# Altium PCB CM5_Adapter.PcbDoc (part 1 of 3)
Units mil, origin at the board's own origin, x right, y up, seen from the top; angles counter-clockwise.
Board outline 2540 x 1690 mil, 4 copper layers (Top Layer, Sig1, Sig2, Bottom Layer), stack 50.112 mil thick; 53 components, 281 nets, 1198 pads, 240 vias.
Unrouted connection lines stored in the file: 25.
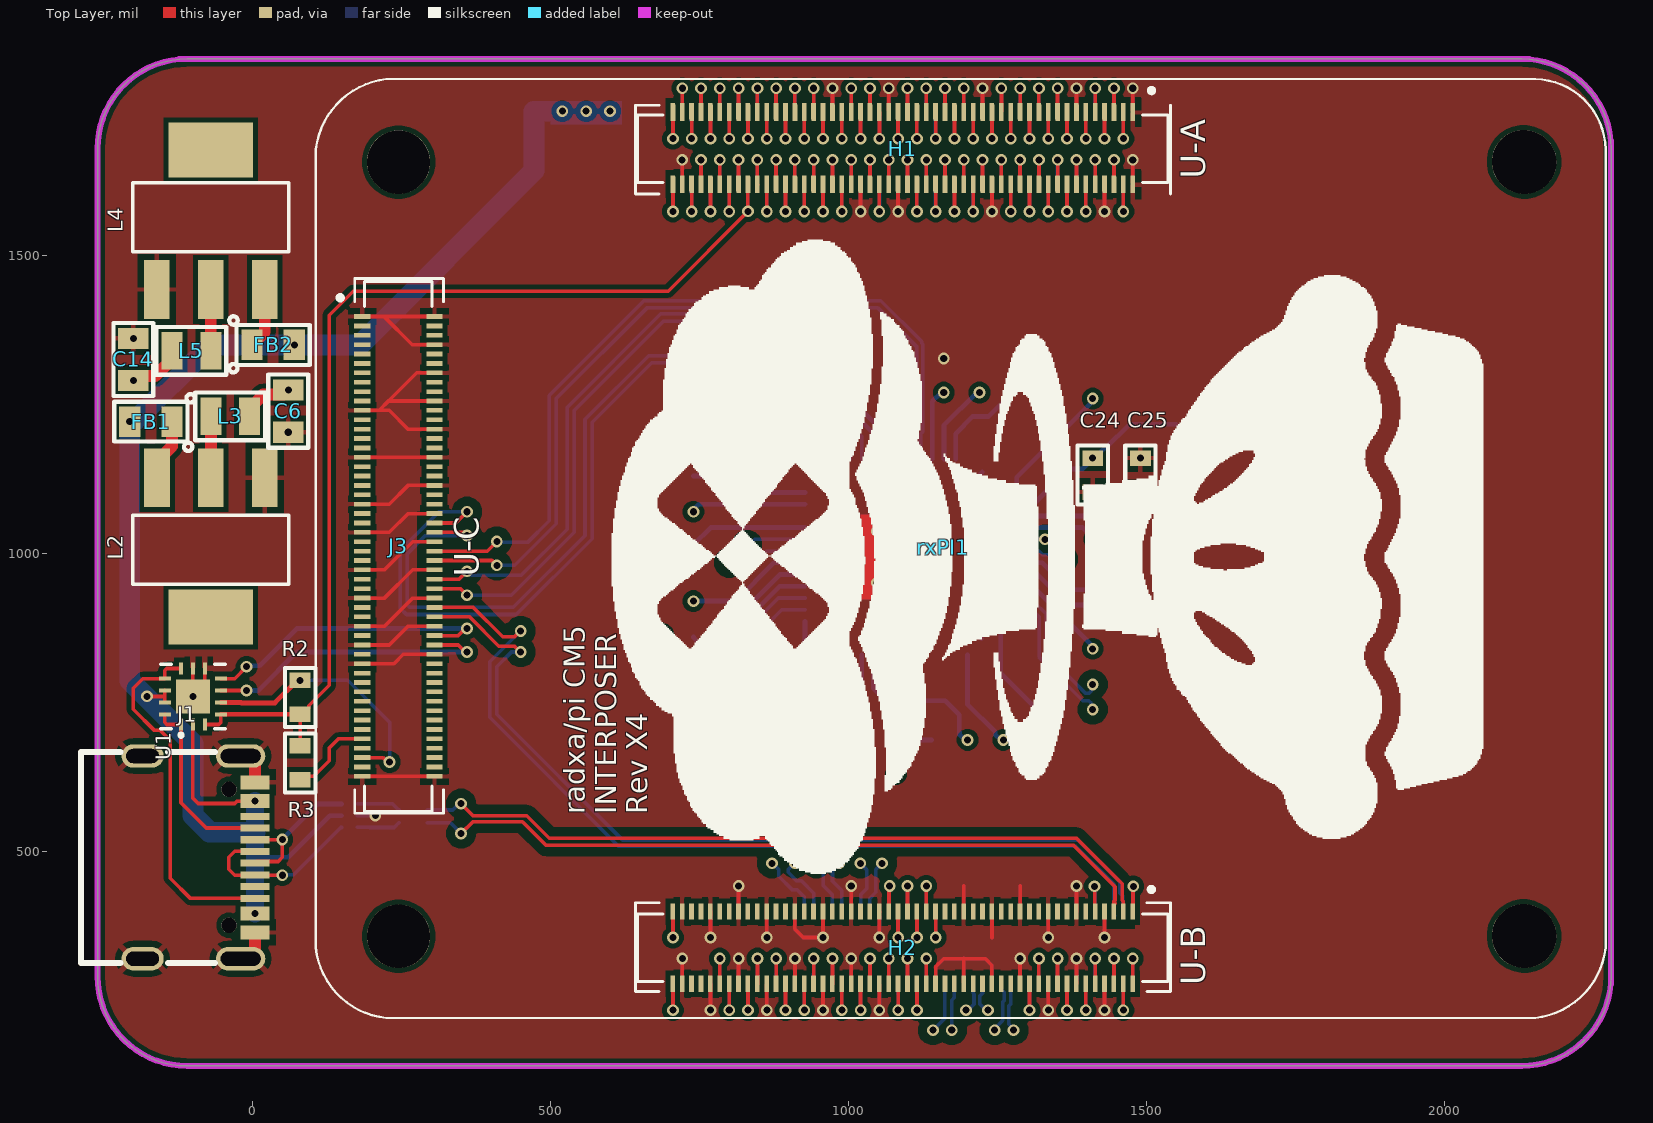
[diagram p0: Top Layer view]
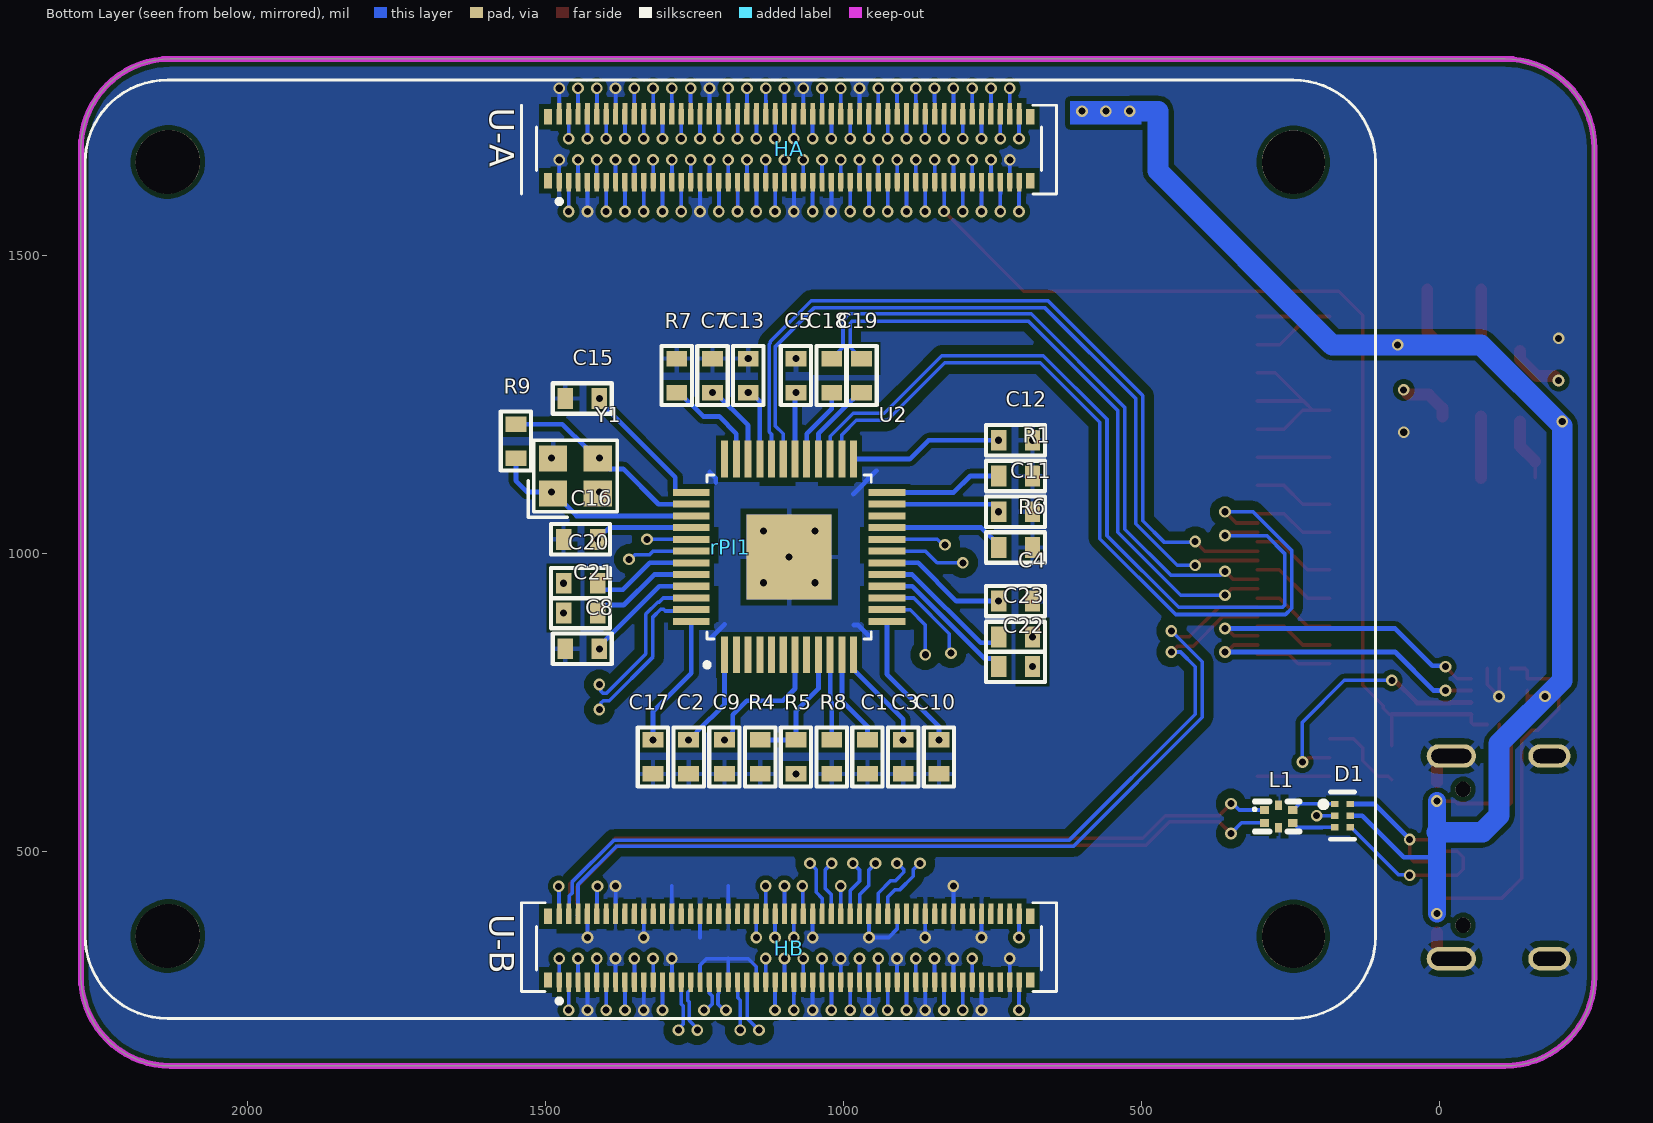
[diagram p1: Bottom Layer view, seen from below]
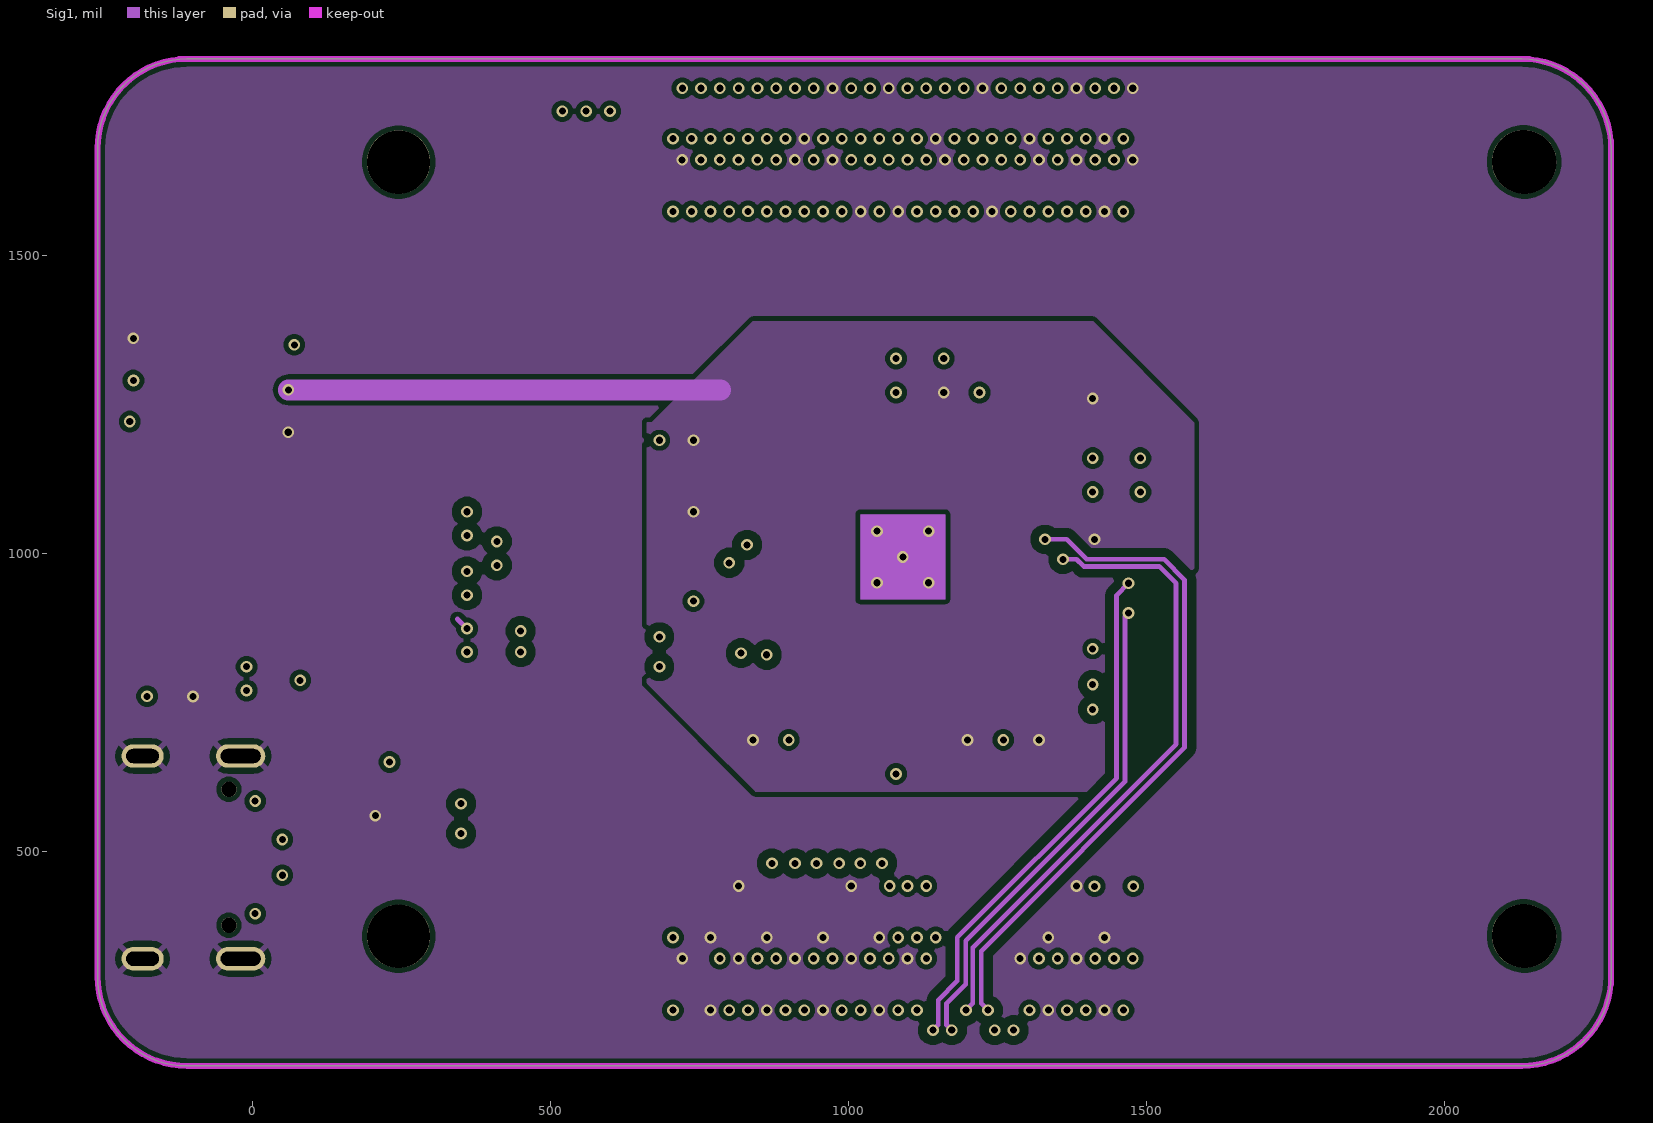
[diagram p2: Sig1]
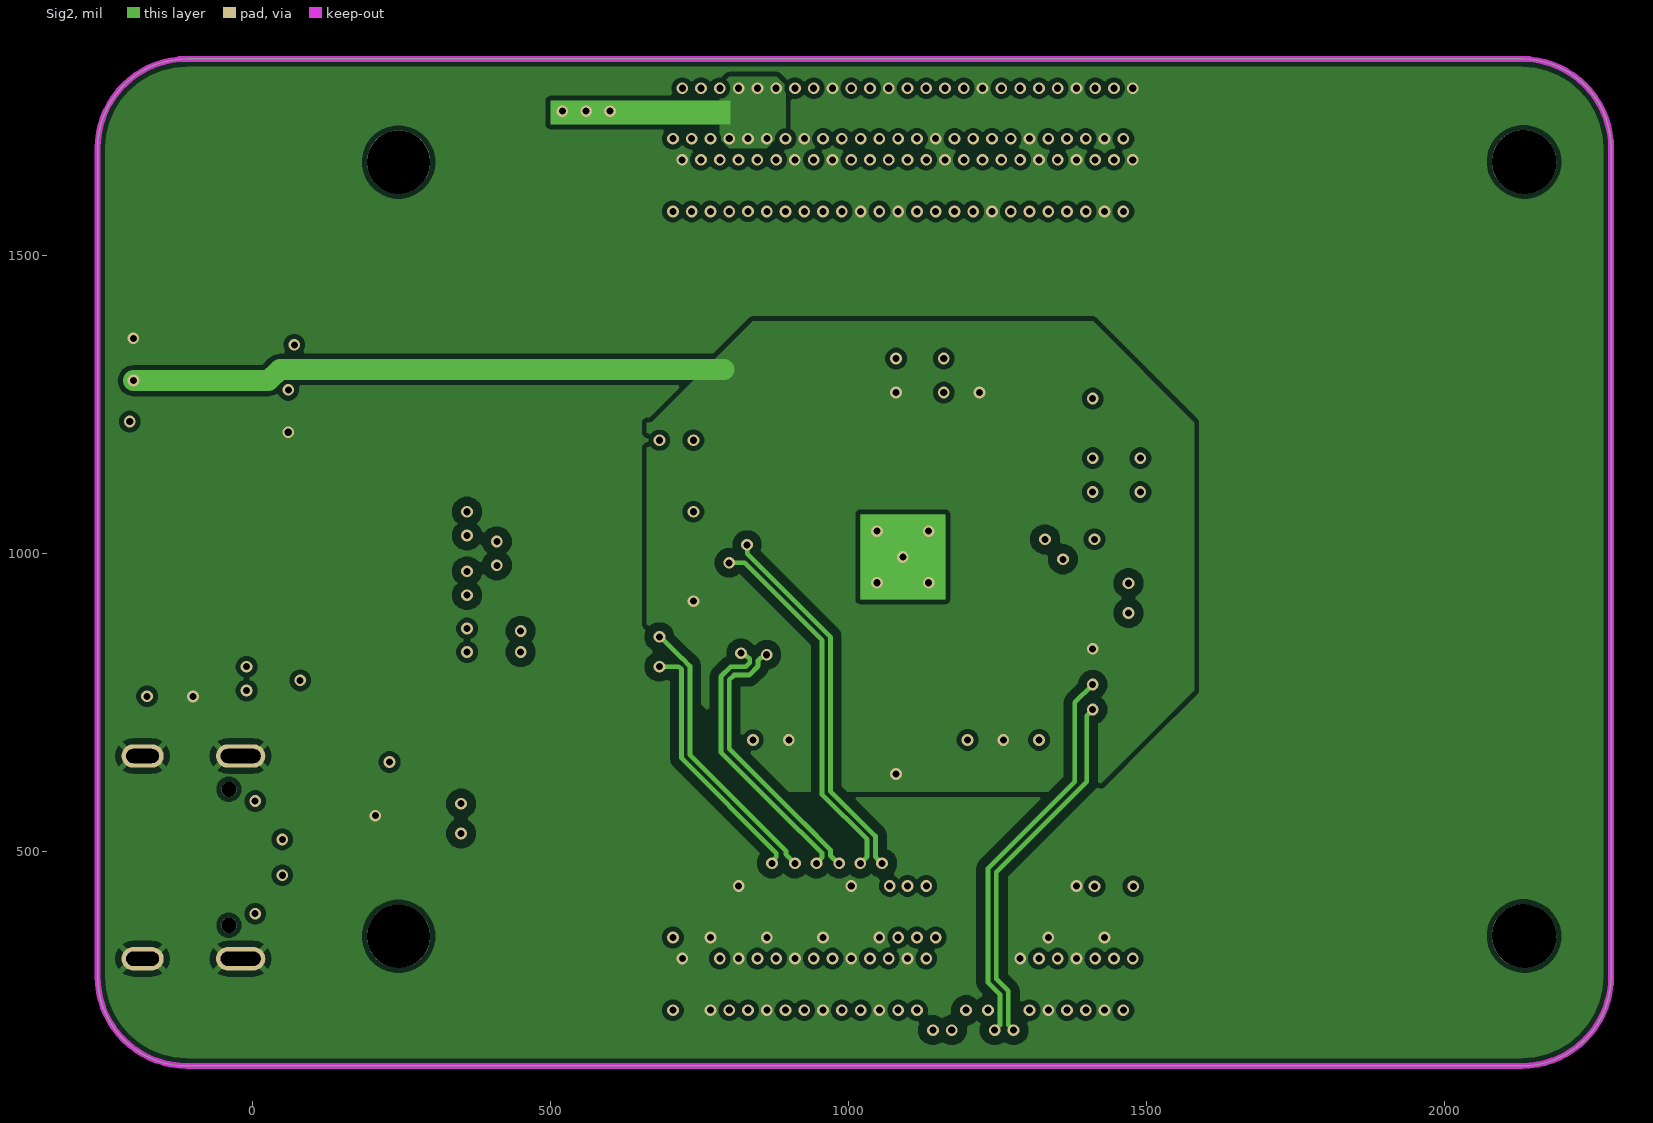
[diagram p3: Sig2]

## Layer stack, top to bottom
Top Solder: solder mask 0.4, Solder Resist, Dk 3.5
Top Layer: signal copper 1.378
Dielectric 1: prepreg 2.8, PP-006, Dk 4.1
Sig1: signal copper 1.378
Dielectric 3: core 39, Core-042, Dk 4.6
Sig2: signal copper 1.378
Dielectric 2: prepreg 2.8, PP-006, Dk 4.1
Bottom Layer: signal copper 1.378
Bottom Solder: solder mask 0.4, Solder Resist, Dk 3.5

## Board outline
-260,290 -260,1680 cw(c-110,1680) -110,1830 2130,1830 cw(c2130,1680) 2280,1680 2280,290 cw(c2130,290) 2130,140 -110,140 cw(c-110,290)

## Design rules (kind name [scope] priority, off if disabled: settings)
Clearance DiffPairs_Clearance [InDifferentialPairClass('All Differential Pairs')] p1: gap=4 ignorepadtopadclearanceinfootprint=FALSE except(15: Arc-Fill Arc-Poly Arc-Region Track-Fill Track-Poly Track-Region SMDPad-Fill SMDPad-Poly SMDPad-Region THPad-Fill THPad-Poly THPad-Region Via-Fill Via-Poly Via-Region Fill-Fill Fill-Poly Fill-Region Poly-Poly Poly-Region Region-Region)
Clearance [All] p2: gap=8 ignorepadtopadclearanceinfootprint=FALSE except(0: SMDPad-SMDPad SMDPad-Hole Text-Hole; 5: Arc-SMDPad Track-SMDPad THPad-THPad; 5.91: Arc-Arc Arc-Track Track-Track; 7: Arc-Via Track-Via)
ComponentClearance [All] p1: gap=10 collisioncheckmode=3 verticalgap=10 showdistances=FALSE donotcheckwithout3dbody=TRUE
DiffPairsRouting [All] p1: maxlimit=10 minlimit=4 mostfreqgap=6 toplayer_minwidth=4 toplayer_maxwidth=15 toplayer_prefwidth=6 midlayer1_minwidth=4 midlayer1_maxwidth=15 midlayer1_prefwidth=8 midlayer2_minwidth=4 midlayer2_maxwidth=15 midlayer2_prefwidth=8 bottomlayer_minwidth=4 bottomlayer_maxwidth=15 bottomlayer_prefwidth=6 maxuncoupledlength=500
HoleSize [All] p1: absolutevalues=TRUE maxlimit=300 minlimit=1 maxpercent=80.000 minpercent=20.000
MatchedLengths [InDifferentialPairClass('All Differential Pairs')] p1: tolerance=10 checknetsindiffpair=TRUE checkdiffpairvsdiffpair=FALSE checkxsignals=FALSE checkothers=FALSE
MinimumSolderMaskSliver [All] p1: minsoldermaskwidth=5
PlaneClearance [All] p1: clearance=15
PlaneConnect [All] p1: planeconnectstyle=Direct reliefexpansion=20 reliefentries=4 reliefconductorwidth=10 reliefairgap=10
PolygonConnect [All] p1: thpad.connectstyle=Relief thpad.reliefconductorwidth=10 thpad.reliefentries=4 thpad.polygonreliefangle="45 Angle" thpad.airgapwidth=10 smdpad.connectstyle=Relief smdpad.reliefconductorwidth=8 smdpad.reliefentries=4 smdpad.polygonreliefangle="90 Angle" smdpad.airgapwidth=10 via.connectstyle=Direct via.reliefconductorwidth=10 via.reliefentries=4 via.polygonreliefangle="90 Angle" via.airgapwidth=10
RoutingVias [All] p1: holewidth=10 width=19 viastyle="Through Hole" minholewidth=10 minwidth=19 maxholewidth=16 maxwidth=30
ShortCircuit [All] p1: allowed=TRUE
SilkToSilkClearance [All] p1: silktosilkclearance=5
SilkToSolderMaskClearance [IsPad] p1: minsilkscreentomaskgap=1 clearancetoexposedcopper=TRUE
SolderMaskExpansion [All] p1: expansion=4 istentingtop=FALSE
SupplyNets "Schematic Supply Nets_74" [InNet('USB30_RX_P')] p1: voltage=0.000
SupplyNets "Schematic Supply Nets_73" [InNet('USB3HOST_TX_P')] p2: voltage=0.000
SupplyNets "Schematic Supply Nets_72" [InNet('USB3HOST_RX_N')] p3: voltage=0.000
SupplyNets "Schematic Supply Nets_71" [InNet('USB3HOST_D_N')] p4: voltage=0.000
SupplyNets "Schematic Supply Nets_70" [InNet('USB3HOST_RX_P')] p5: voltage=0.000
SupplyNets "Schematic Supply Nets_69" [InNet('USB30_TX_N')] p6: voltage=0.000
SupplyNets "Schematic Supply Nets_67" [InNet('USB30_D_N')] p7: voltage=0.000
SupplyNets "Schematic Supply Nets_66" [InNet('USB3HOST_TX_N')] p8: voltage=0.000
SupplyNets "Schematic Supply Nets_65" [InNet('3.3VDC')] p9: voltage=0.000
SupplyNets "Schematic Supply Nets_64" [InNet('USB30_TX_P')] p10: voltage=0.000
SupplyNets "Schematic Supply Nets_54" [InNet('USB3HOST_D_P')] p11: voltage=0.000
SupplyNets "Schematic Supply Nets_49" [InNet('USB30_D_P')] p12: voltage=0.000
SupplyNets "Schematic Supply Nets_45" [InNet('1.2VDC')] p13: voltage=0.000
SupplyNets "Schematic Supply Nets_33" [InNet('USB30_RX_N')] p14: voltage=0.000
SupplyNets "Schematic Supply Nets_46" [InNet('USB20_N')] p15: voltage=0.000
SupplyNets "Schematic Supply Nets_34" [InNet('USB20_P')] p16: voltage=0.000
SupplyNets "Schematic Supply Nets_63" [InNet('5VDC_BUS')] p17: voltage=0.000
SupplyNets "Schematic Supply Nets_62" [InNet('USB_OTG_D_N')] p18: voltage=0.000
SupplyNets "Schematic Supply Nets_61" [InNet('PRG_CC1')] p19: voltage=0.000
SupplyNets "Schematic Supply Nets_60" [InNet('PRG_CC2')] p20: voltage=0.000
SupplyNets "Schematic Supply Nets_10" [InNet('I2C_SDA')] p21: voltage=0.000
SupplyNets "Schematic Supply Nets_9" [InNet('I2C_SCL')] p22: voltage=0.000
SupplyNets "Schematic Supply Nets_7" [InNet('RD_CC1')] p23: voltage=0.000
SupplyNets "Schematic Supply Nets_4" [InNet('USB_OTG_D_P')] p24: voltage=0.000
SupplyNets "Schematic Supply Nets_59" [InNet('HDMI1_TX0_N')] p25: voltage=0.000
SupplyNets "Schematic Supply Nets_58" [InNet('USB_OTG_ID')] p26: voltage=0.000
SupplyNets "Schematic Supply Nets_57" [InNet('HDMI1_SDA')] p27: voltage=0.000
SupplyNets "Schematic Supply Nets_56" [InNet('HDMI0_CLK_P')] p28: voltage=0.000
SupplyNets "Schematic Supply Nets_55" [InNet('USB31_TX_P')] p29: voltage=0.000
SupplyNets "Schematic Supply Nets_53" [InNet('USBP_D_P')] p30: voltage=0.000
SupplyNets "Schematic Supply Nets_52" [InNet('USBP_D_N')] p31: voltage=0.000
SupplyNets "Schematic Supply Nets_51" [InNet('HDMI0_HOTPLUG')] p32: voltage=0.000
SupplyNets "Schematic Supply Nets_50" [InNet('HDMI0_TX1_P')] p33: voltage=0.000
SupplyNets "Schematic Supply Nets_48" [InNet('HDMI1_TX1_P')] p34: voltage=0.000
SupplyNets "Schematic Supply Nets_47" [InNet('Res104')] p35: voltage=0.000
SupplyNets "Schematic Supply Nets_44" [InNet('USB31_RX_P')] p36: voltage=0.000
SupplyNets "Schematic Supply Nets_43" [InNet('USB31_D_N')] p37: voltage=0.000
SupplyNets "Schematic Supply Nets_42" [InNet('Res106')] p38: voltage=0.000
SupplyNets "Schematic Supply Nets_41" [InNet('HDMI0_CEC')] p39: voltage=0.000
SupplyNets "Schematic Supply Nets_39" [InNet('HDMI0_SDA')] p40: voltage=0.000
SupplyNets "Schematic Supply Nets_38" [InNet('USB31_TX_N')] p41: voltage=0.000
SupplyNets "Schematic Supply Nets_37" [InNet('HDMI0_TX1_N')] p42: voltage=0.000
SupplyNets "Schematic Supply Nets_35" [InNet('HDMI0_SCL')] p43: voltage=0.000
SupplyNets "Schematic Supply Nets_32" [InNet('HDMI0_TX0_P')] p44: voltage=0.000
SupplyNets "Schematic Supply Nets_31" [InNet('HDMI1_CLK_P')] p45: voltage=0.000
SupplyNets "Schematic Supply Nets_30" [InNet('HDMI1_HOTPLUG')] p46: voltage=0.000
SupplyNets "Schematic Supply Nets_29" [InNet('HDMI1_TX0_P')] p47: voltage=0.000
SupplyNets "Schematic Supply Nets_28" [InNet('CC_INTO_L')] p48: voltage=0.000
SupplyNets "Schematic Supply Nets_27" [InNet('PCIe_CLK_nREQ')] p49: voltage=0.000
SupplyNets "Schematic Supply Nets_26" [InNet('USB31_D_P')] p50: voltage=0.000
SupplyNets "Schematic Supply Nets_24" [InNet('VCC_3V3_S3')] p51: voltage=0.000
SupplyNets "Schematic Supply Nets_23" [InNet('HDMI1_TX2_N')] p52: voltage=0.000
SupplyNets "Schematic Supply Nets_22" [InNet('HDMI1_TX1_N')] p53: voltage=0.000
SupplyNets "Schematic Supply Nets_21" [InNet('HDMI1_CEC')] p54: voltage=0.000
SupplyNets "Schematic Supply Nets_20" [InNet('HDMI0_TX2_P')] p55: voltage=0.000
SupplyNets "Schematic Supply Nets_19" [InNet('USB31_RX_N')] p56: voltage=0.000
SupplyNets "Schematic Supply Nets_18" [InNet('HDMI0_TX0_N')] p57: voltage=0.000
SupplyNets "Schematic Supply Nets_17" [InNet('HDMI1_SCL')] p58: voltage=0.000
SupplyNets "Schematic Supply Nets_16" [InNet('PCIe_nRST')] p59: voltage=0.000
SupplyNets "Schematic Supply Nets_15" [InNet('HDMI1_TX2_P')] p60: voltage=0.000
SupplyNets "Schematic Supply Nets_14" [InNet('HDMI1_CLK_N')] p61: voltage=0.000
SupplyNets "Schematic Supply Nets_13" [InNet('HDMI0_TX2_N')] p62: voltage=0.000
SupplyNets "Schematic Supply Nets_12" [InNet('HDMI0_CLK_N')] p63: voltage=0.000
SupplyNets "Schematic Supply Nets_8" [InNet('PCIe_TX_N')] p64: voltage=0.000
SupplyNets "Schematic Supply Nets_6" [InNet('PCIe_RX_P')] p65: voltage=0.000
SupplyNets "Schematic Supply Nets_5" [InNet('GND')] p66: voltage=0.000
SupplyNets "Schematic Supply Nets_3" [InNet('PCIe_CLK_P')] p67: voltage=0.000
SupplyNets "Schematic Supply Nets_2" [InNet('PCIe_RX_N')] p68: voltage=0.000
SupplyNets "Schematic Supply Nets_1" [InNet('PCIe_CLK_N')] p69: voltage=0.000
SupplyNets "Schematic Supply Nets" [InNet('PCIe_TX_P')] p70: voltage=0.000
Width [All] p1: maxlimit=300 minlimit=4 preferedwidth=8 minimp=50.000000 maximp=50.000000 favimp=50.000000
21 further rules are at their usual default settings.

## Classes and differential pairs
differential pair USB30_TX: +USB30_TX_P -USB30_TX_N
differential pair USB30_RX: +USB30_RX_P -USB30_RX_N
differential pair USB30_D: +USB30_D_P -USB30_D_N
differential pair USB3HOST_TX: +USB3HOST_TX_P -USB3HOST_TX_N
differential pair USB3HOST_RX: +USB3HOST_RX_P -USB3HOST_RX_N
differential pair USB3HOST_D: +USB3HOST_D_P -USB3HOST_D_N
differential pair USB20: +USB20_P -USB20_N
differential pair USB_OTG_D: +USB_OTG_D_P -USB_OTG_D_N
differential pair USB31_TX: +USB31_TX_P -USB31_TX_N
differential pair USB31_RX: +USB31_RX_P -USB31_RX_N
differential pair USB31_D: +USB31_D_P -USB31_D_N
